# Altium PCB MB1936.PcbDoc (part 6 of 13)
Units mm, origin at the board's own origin, x right, y up, seen from the top; angles counter-clockwise.
Board outline 172 x 137 mm, 6 copper layers (Top Layer, Signal Layer 1, Signal Layer 2, Signal Layer 3, Signal Layer 4, Bottom Layer), stack 1.549 mm thick; 859 components, 672 nets, 3477 pads, 2222 vias.
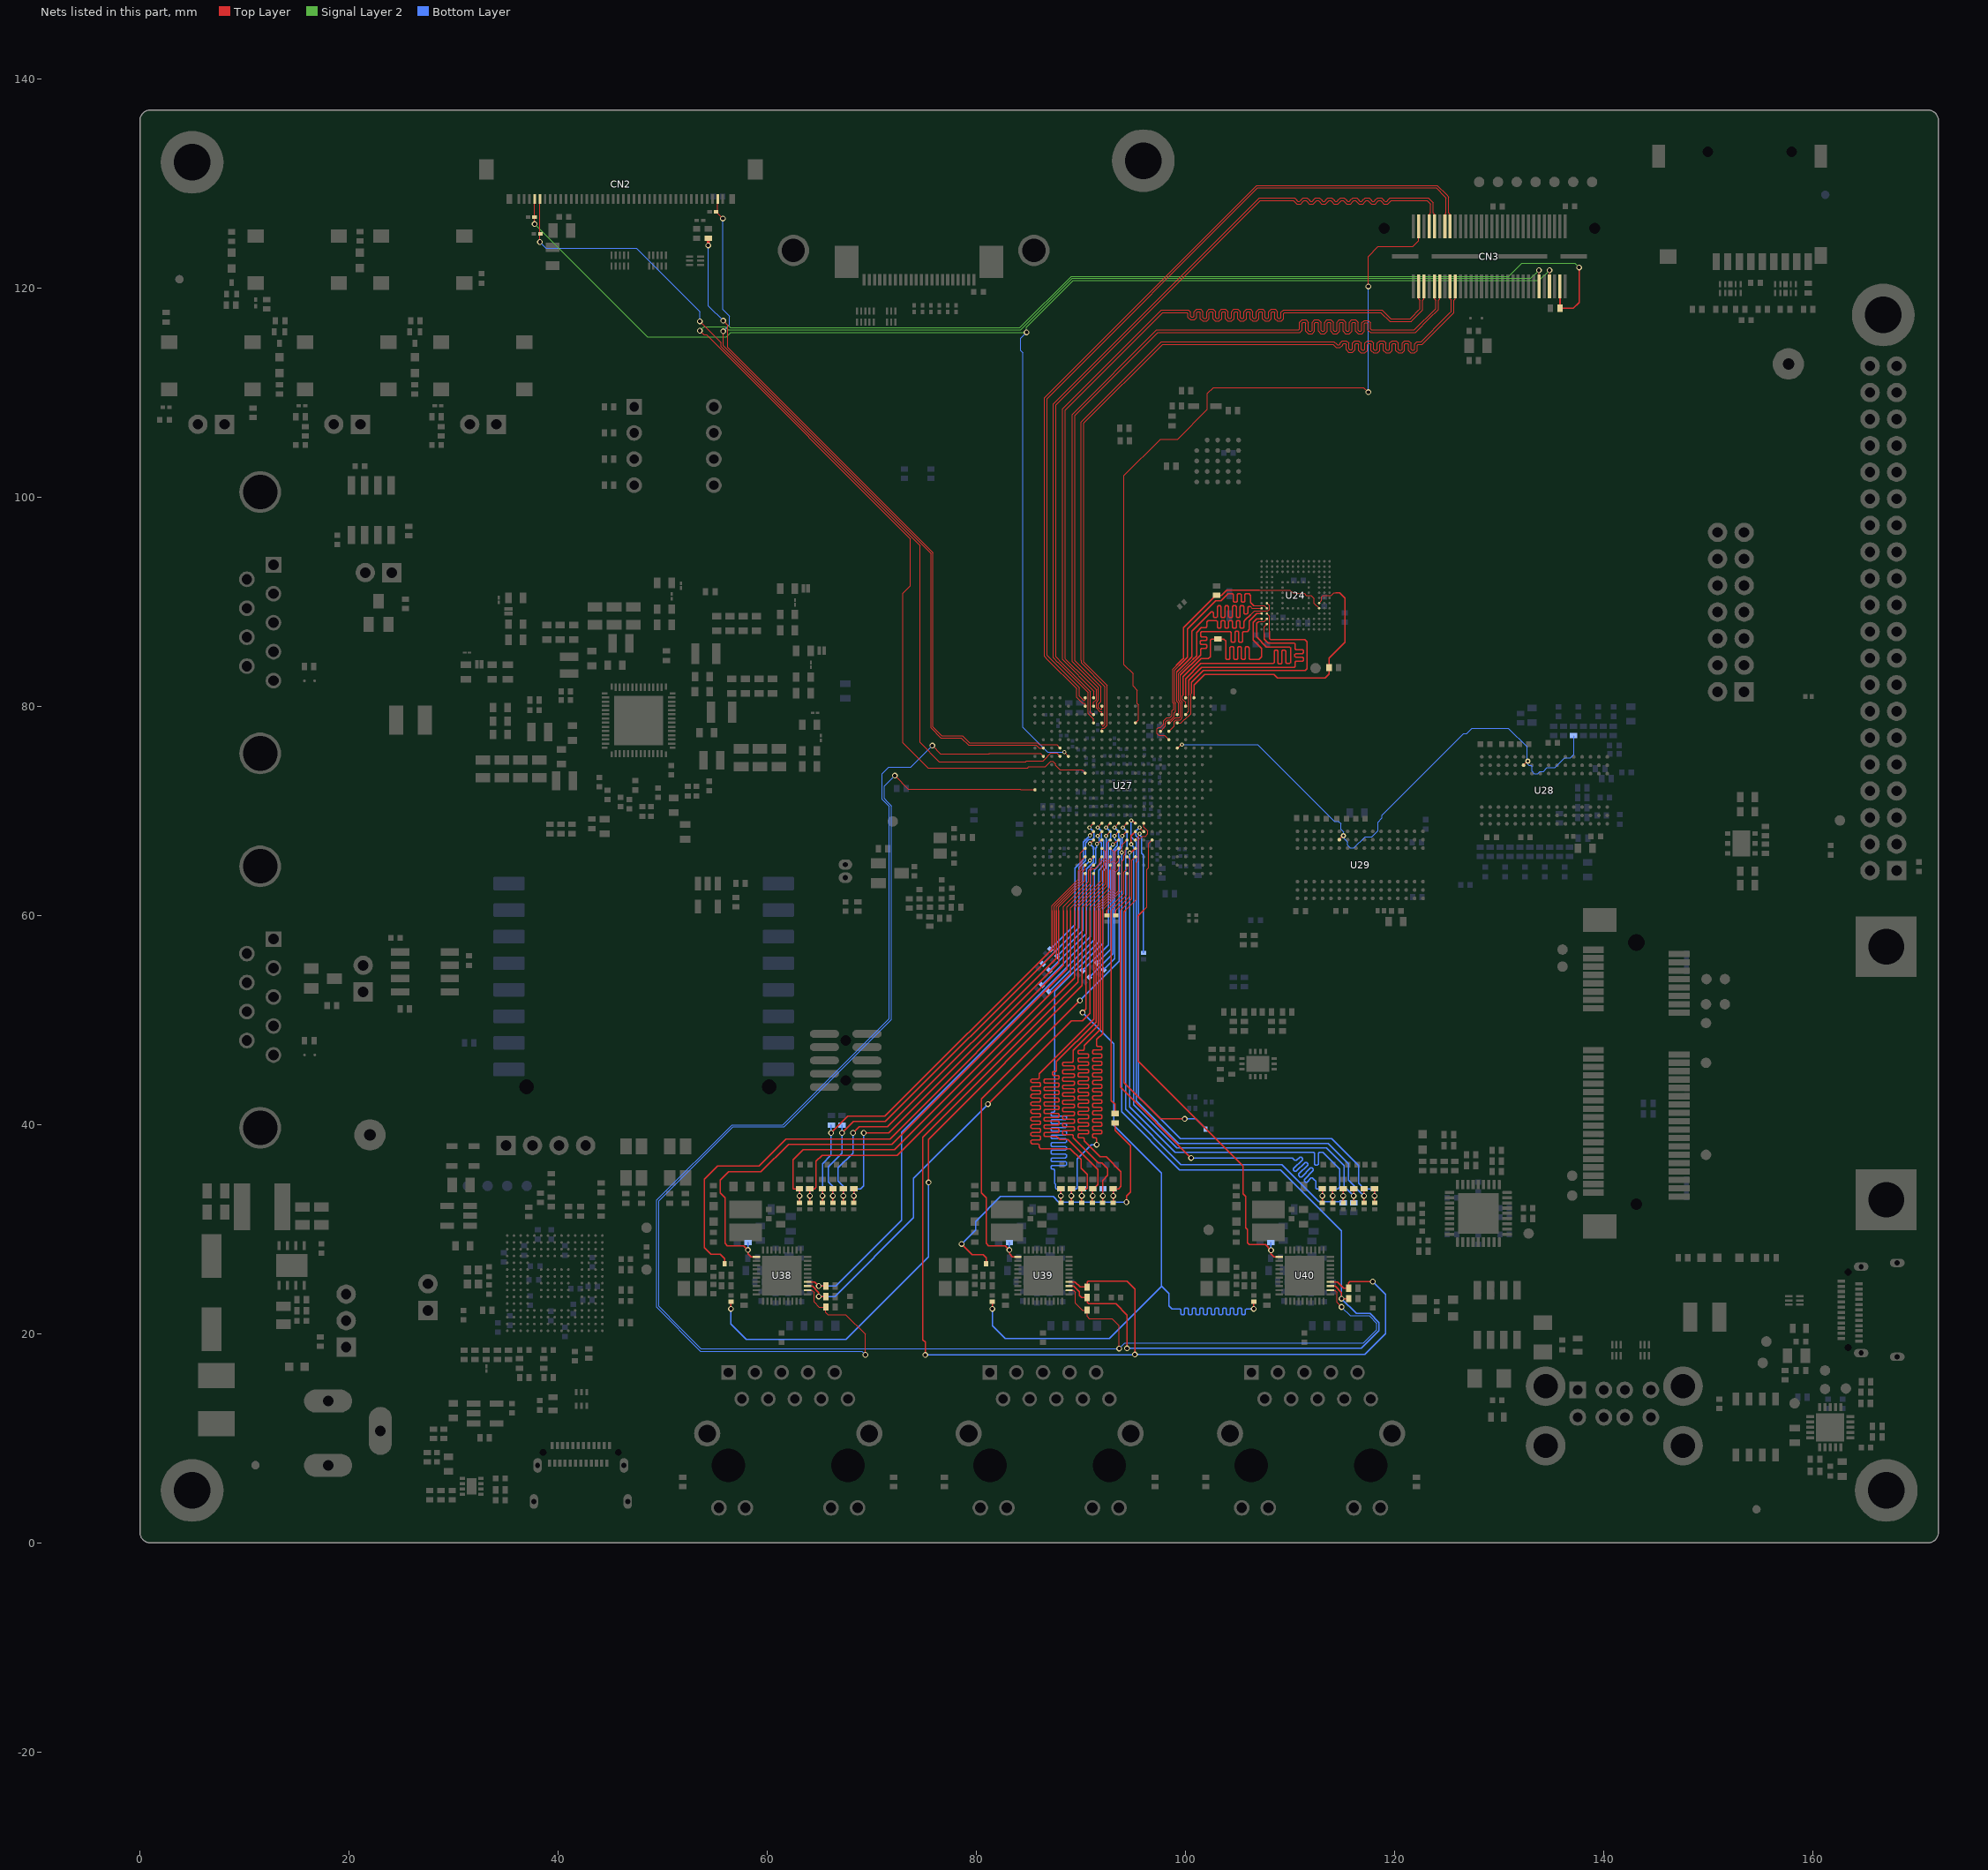
[diagram p10: the nets of this part, all layers, seen from the top]

## Via types
v1: diameter 0.55, hole 0.35, Top Layer to Bottom Layer, 1661 vias
v2: diameter 0.4, hole 0.2, Top Layer to Bottom Layer, tented both sides, 253 vias
v3: diameter 0.5, hole 0.2, Top Layer to Bottom Layer, 157 vias
v4: diameter 0.5, hole 0.25, Top Layer to Bottom Layer, 145 vias
v5: diameter 0.4, hole 0.2, Top Layer to Bottom Layer, 6 vias

## Nets (pads, with @x,y where several pads share a name; then routed paths per layer and width w, separated by ;. In a path a pad name is that pad's centre, name@x,y a point inside that pad or via, vN(x,y) a via of type N, cw(c..) or ccw(c..) an arc to the next point about the centre after c; other vN are vias at no path point) (continued)
DDR_WEN: R257.1 U27.G18 U28.L2 U29.L2 | length 55
  Top Layer w0.09: U27.G18@99.2,76 99.257,76 99.582,76.325 v2(99.65,76.325) ; U29.L2@114.694,67.222 114.694,67.27 v4@115.049,67.625 ; U28.L2@132.325,74.325 132.325,74.373 v4@132.68,74.728
  Bottom Layer w0.09: v2(99.65,76.325) 99.666,76.341 106.877,76.341 114.223,68.995 114.614,68.995 114.845,68.764 114.845,68.223 115.1,67.968 v4(115.1,67.625) ; v4@115.102,67.625 115.162,67.566 115.162,67.322 115.505,66.979 115.505,66.684 115.737,66.453 116.098,66.453 117.165,67.52 117.824,67.52 118.388,68.084 118.388,68.909 118.395,68.909 118.794,69.308 118.794,69.555 126.602,77.363 126.878,77.363 127.412,77.897 130.872,77.897 132.662,76.107 132.662,74.813 v4(132.725,74.75) 132.725,74.458 132.839,74.345 133.032,74.345 133.124,74.253 133.124,73.793 133.362,73.555 133.689,73.555 133.885,73.751 134.227,73.751 134.585,74.11 135.319,74.11 136.274,75.065 136.799,75.065 137.135,75.401 137.135,77.141 R257.1@137.1,77.175
DISP.BLCTRL: CN2.37 CN3.53 U2.1 U27.H5 | length 152
  Top Layer w0.1: v1(37.75,126.1) CN2.37@37.75,128.5 ; v2(88.4,75.6) U27.H5@88.8,75.2 ; CN3.53@134.8,120.13 v1(134.8,121.675)
  Signal Layer 2 w0.1: v1(37.75,126.1) 48.525,115.325 56.1,115.325 56.525,115.75 v1(84.8,115.75) 84.8,116.25 89.25,120.7 133.825,120.7 v1(134.8,121.675)
  Bottom Layer w0.1: v1(84.8,115.75) 84.225,115.175 84.225,113.999 84.45,113.774 84.45,77.955 86.806,75.6 v2(88.4,75.6)
DISP.DSI_INT: CN3.4 U27.D13 | length 72
  Top Layer w0.1: U27.D13@95.2,78.4 95.49,78.69 95.49,80.141 95.385,80.246 95.385,81.515 94.975,81.925 94.975,83.1 94.125,83.95 94.125,84.475 94.125,102.051 97.599,105.525 99.248,105.525 102.1,108.377 102.1,109.917 102.658,110.475 117.025,110.475 v1(117.475,110.025) ; v1(117.475,120.125) 117.475,123 118.42,123.945 121.72,123.945 122.3,124.525 CN3.4@122.3,125.87
  Bottom Layer w0.1: v1(117.475,110.025) v1(117.475,120.125)
DISP.LED_EN: CN2.36 U4.1 U27.H4 | length 86.7
  Top Layer w0.09: 81.172,74.685 84.727,74.685 84.787,74.745 86.364,74.745 86.796,75.177 86.796,75.213 87.088,75.505 87.695,75.505 U27.H4@88,75.2
  Top Layer w0.1: v1(38.25,124.375) 38.25,125.625 CN2.36@38.25,128.5 ; v1(53.55,116.8) 55.575,114.775 55.575,114.384 74.6,95.359 74.6,76.516 76.431,74.685 81.172,74.685
  Bottom Layer w0.1: v1(38.25,124.375) 38.85,123.775 47.475,123.775 53.55,117.7 v1(53.55,116.8)
DISP.LVDS_INT: CN2.2 U1.1 U27.G2 | length 71.1
  Top Layer w0.1: CN2.2@55.25,128.5 55.25,127.275 55.275,127.25 55.275,127.1 v1(55.75,126.625) ; v1(55.775,115.85) 55.775,114.467 75.65,94.592 75.65,77.94 76.615,76.975 78.55,76.975 79.235,76.29 81.172,76.29 85.72,76.29 86.01,76 U27.G2@86.4,76
  Bottom Layer w0.1: v1(55.75,126.625) 55.75,117.925 56.4,117.275 56.4,116.475 v1(55.775,115.85)
DISP.RESET: CN3.57 R2.1 R9.2 U27.G4 | length 161
  Top Layer w0.09: 81.172,76.49 85.834,76.49 86.009,76.315 87.685,76.315 U27.G4@88,76
  Top Layer w0.1: v1(55.775,116.85) 56.225,116.4 56.225,114.3 75.85,94.675 75.85,78.023 76.698,77.175 78.674,77.175 79.359,76.49 81.172,76.49
  Top Layer w0.15: CN3.57@135.8,120.13 R9.2@135.8,118.05 137.08,118.05 137.64,118.61 v1(137.64,121.95)
  Top Layer w0.3: v1(54.35,124.051) R2.1@54.35,124.745
  Signal Layer 2 w0.1: v1(55.775,116.85) 56.45,116.175 84.159,116.175 89.084,121.1 130.9,121.1 132.175,122.375 137.215,122.375 v1(137.64,121.95)
  Bottom Layer w0.1: v1@54.35,124.05 54.35,118.275 v1(55.775,116.85)
DISP.TE: CN3.49 U27.K7 | length 151.8
  Top Layer w0.09: 81.172,74.085 84.891,74.085 85.011,74.205 86.602,74.205 87.102,74.705 87.326,74.705 87.55,74.481 87.55,74.325
  Top Layer w0.1: v1(53.55,115.9) 53.95,115.5 54.175,115.5 73.678,95.997 73.678,91.518 72.975,90.814 72.975,76.5 75.39,74.085 81.172,74.085 ; 87.55,74.325 87.97,73.905 90.095,73.905 U27.K7@90.4,73.6 ; CN3.49@133.8,120.13 v1(133.8,121.675)
  Signal Layer 2 w0.1: v1(53.55,115.9) 53.925,116.275 55.951,116.275 56.251,115.975 84.242,115.975 89.167,120.9 133.025,120.9 v1(133.8,121.675)
DSI.CK_N: CN3.5 U27.B8 | length 81.7
  Top Layer w0.09: U27.B8@91.2,80 91.2,80.355 91.485,80.64 91.485,81.546 90.382,82.648 88.556,84.475 88.475,84.556 88.475,108.325 97.8,117.65 99.7,117.65 100.15,117.65 100.236,117.564 100.236,117.184 100.468,116.952 100.847,116.952 101.08,117.184 101.08,117.617 101.166,117.703 101.338,117.703 101.424,117.617 101.424,117.048 101.656,116.816 102.035,116.816 102.268,117.048 102.268,117.617 102.354,117.703 102.526,117.703 102.612,117.617 102.612,117.048 102.844,116.816 103.223,116.816 103.456,117.048 103.456,117.617 103.542,117.703 103.714,117.703 103.8,117.617 103.8,117.048 104.032,116.816 104.411,116.816 104.644,117.048 104.644,117.617 104.73,117.703 104.902,117.703 104.988,117.617 104.988,117.048 105.22,116.816 105.599,116.816 105.832,117.048 105.832,117.617 105.918,117.703 106.09,117.703 106.176,117.617 106.176,117.048 106.408,116.816 106.787,116.816 107.02,117.048 107.02,117.617 107.106,117.703 107.278,117.703 107.364,117.617 107.364,117.048 107.596,116.816 107.975,116.816 108.208,117.048 108.208,117.617 108.294,117.703 108.466,117.703 108.552,117.617 108.552,117.048 108.784,116.816 109.163,116.816 109.396,117.048 109.396,117.564 109.482,117.65 109.6,117.65 118.675,117.65 119.527,116.798 121.595,116.798 121.668,116.871 122.675,117.879 122.675,118.825 122.8,118.95 CN3.5@122.8,120.13
DSI.CK_P: CN3.3 U27.A8 | length 80.8
  Top Layer w0.09: U27.A8@91.2,80.8 U27.A8@91.235,80.835 ; U27.A8@91.235,80.836 91.235,81.442 88.225,84.452 88.225,84.475 88.225,84.659 88.225,108.429 97.696,117.9 99.7,117.9 100.253,117.9 100.486,117.668 100.486,117.288 100.572,117.202 100.744,117.202 100.83,117.288 100.83,117.72 101.062,117.953 101.441,117.953 101.674,117.72 101.674,117.152 101.76,117.066 101.932,117.066 102.018,117.152 102.018,117.72 102.25,117.953 102.629,117.953 102.862,117.72 102.862,117.152 102.948,117.066 103.12,117.066 103.206,117.152 103.206,117.72 103.438,117.953 103.817,117.953 104.05,117.72 104.05,117.152 104.136,117.066 104.308,117.066 104.394,117.152 104.394,117.72 104.626,117.953 105.005,117.953 105.238,117.72 105.238,117.152 105.324,117.066 105.496,117.066 105.582,117.152 105.582,117.72 105.814,117.953 106.193,117.953 106.426,117.72 106.426,117.152 106.512,117.066 106.684,117.066 106.77,117.152 106.77,117.72 107.002,117.953 107.381,117.953 107.614,117.72 107.614,117.152 107.7,117.066 107.872,117.066 107.958,117.152 107.958,117.72 108.19,117.953 108.569,117.953 108.802,117.72 108.802,117.152 108.888,117.066 109.06,117.066 109.146,117.152 109.146,117.668 109.378,117.9 109.6,117.9 118.779,117.9 119.63,117.048 121.491,117.048 121.646,117.204 122.309,117.866 122.425,117.982 122.425,118.825 122.3,118.95 CN3.3@122.3,120.13
DSI.D0_N: CN3.11 U27.B9 | length 81.4
  Top Layer w0.09: U27.B9@92,80 92,79.751 91.944,79.695 91.866,79.695 91.675,79.886 91.675,80.222 91.915,80.462 91.915,81.863 89.425,84.353 89.425,84.475 89.425,107.8 97.35,115.725 110.708,115.725 110.811,115.725 110.929,115.725 111.162,115.957 111.162,116.61 111.248,116.696 111.42,116.696 111.506,116.61 111.506,115.842 111.738,115.61 112.117,115.61 112.35,115.842 112.35,116.61 112.436,116.696 112.608,116.696 112.694,116.61 112.694,115.842 112.926,115.61 113.305,115.61 113.538,115.842 113.538,116.61 113.624,116.696 113.796,116.696 113.882,116.61 113.882,115.842 114.114,115.61 114.493,115.61 114.726,115.842 114.726,116.61 114.812,116.696 114.984,116.696 115.07,116.61 115.07,115.842 115.302,115.61 115.681,115.61 115.914,115.842 115.914,116.61 116,116.696 116.172,116.696 116.258,116.61 116.258,115.842 116.49,115.61 116.869,115.61 117.102,115.842 117.102,116.554 117.188,116.64 117.36,116.64 117.446,116.554 117.446,115.957 117.678,115.725 118.675,115.725 121.975,115.725 123.4,117.15 124.087,117.837 124.175,117.925 124.175,118.825 124.3,118.95 CN3.11@124.3,120.13
DSI.D0_P: CN3.9 U27.C9 | length 81.7
  Top Layer w0.09: U27.C9@92,79.2 92,79.449 91.944,79.505 91.787,79.505 91.485,79.807 91.485,80.385 91.665,80.565 91.665,81.76 89.175,84.25 89.175,84.475 89.175,107.904 97.246,115.975 109.708,115.975 110.708,115.975 110.826,115.975 110.912,116.061 110.912,116.714 111.144,116.946 111.523,116.946 111.756,116.714 111.756,115.946 111.842,115.86 112.014,115.86 112.1,115.946 112.1,116.714 112.332,116.946 112.711,116.946 112.944,116.714 112.944,115.946 113.03,115.86 113.202,115.86 113.288,115.946 113.288,116.714 113.52,116.946 113.899,116.946 114.132,116.714 114.132,115.946 114.218,115.86 114.39,115.86 114.476,115.946 114.476,116.714 114.708,116.946 115.087,116.946 115.32,116.714 115.32,115.946 115.406,115.86 115.578,115.86 115.664,115.946 115.664,116.714 115.896,116.946 116.275,116.946 116.508,116.714 116.508,115.946 116.594,115.86 116.766,115.86 116.852,115.946 116.852,116.658 117.084,116.89 117.463,116.89 117.696,116.658 117.696,116.061 117.782,115.975 118.675,115.975 121.871,115.975 123.925,118.029 123.925,118.825 123.8,118.95 CN3.9@123.8,120.13
DSI.D1_N: CN3.17 U27.E9 | length 81.8
  Top Layer w0.09: U27.E9@92,77.6 92,77.832 92.053,77.885 92.222,77.885 92.515,78.178 92.515,81.96 90.265,84.21 90.265,84.361 90.275,84.371 90.275,107.075 97.8,114.6 113.169,114.6 114.088,114.6 114.174,114.514 114.406,114.282 114.785,114.282 115.018,114.514 115.018,114.594 115.104,114.68 115.276,114.68 115.362,114.594 115.362,114.084 115.594,113.851 115.973,113.851 116.206,114.084 116.206,114.594 116.292,114.68 116.464,114.68 116.55,114.594 116.55,114.009 116.782,113.776 117.161,113.776 117.394,114.009 117.394,114.594 117.48,114.68 117.652,114.68 117.738,114.594 117.738,114.009 117.97,113.776 118.349,113.776 118.582,114.009 118.582,114.594 118.668,114.68 118.84,114.68 118.926,114.594 118.926,114.009 119.158,113.776 119.537,113.776 119.77,114.009 119.77,114.594 119.856,114.68 120.028,114.68 120.114,114.594 120.114,114.009 120.346,113.776 120.725,113.776 120.958,114.009 120.958,114.594 121.044,114.68 121.216,114.68 121.302,114.594 121.302,114.009 121.534,113.776 121.913,113.776 122.146,114.009 122.146,114.514 122.232,114.6 122.35,114.6 122.625,114.6 125.65,117.625 125.65,118.8 125.8,118.95 CN3.17@125.8,120.13
DSI.D1_P: CN3.15 U27.D9 | length 81.4
  Top Layer w0.09: U27.D9@92,78.4 92,78.168 92.053,78.115 92.127,78.115 92.285,78.273 92.285,81.865 90.035,84.115 90.035,84.361 90.025,84.371 90.025,107.179 97.696,114.85 113.169,114.85 114.191,114.85 114.424,114.618 114.51,114.532 114.682,114.532 114.768,114.618 114.768,114.697 115,114.93 115.379,114.93 115.612,114.697 115.612,114.187 115.698,114.101 115.87,114.101 115.956,114.187 115.956,114.697 116.188,114.93 116.567,114.93 116.8,114.697 116.8,114.112 116.886,114.026 117.058,114.026 117.144,114.112 117.144,114.697 117.376,114.93 117.755,114.93 117.988,114.697 117.988,114.112 118.074,114.026 118.246,114.026 118.332,114.112 118.332,114.697 118.564,114.93 118.943,114.93 119.176,114.697 119.176,114.112 119.262,114.026 119.434,114.026 119.52,114.112 119.52,114.697 119.752,114.93 120.131,114.93 120.364,114.697 120.364,114.112 120.45,114.026 120.622,114.026 120.708,114.112 120.708,114.697 120.94,114.93 121.319,114.93 121.552,114.697 121.552,114.112 121.638,114.026 121.81,114.026 121.896,114.112 121.896,114.618 122.128,114.85 122.35,114.85 122.521,114.85 124.868,117.197 125.298,117.627 125.4,117.729 125.4,118.85 125.3,118.95 CN3.15@125.3,120.13
DSI.D2_N: CN3.10 U27.D8 | length 81.7
  Top Layer w0.09: U27.D8@91.2,78.4 91.2,78.775 90.685,79.29 90.685,81.301 87.761,84.225 87.746,84.225 87.35,84.621 87.35,108.904 107.046,128.6 108.456,128.6 110.428,128.6 110.66,128.368 110.66,128.345 110.746,128.259 110.918,128.259 111.004,128.345 111.004,128.377 111.237,128.609 111.616,128.609 111.848,128.377 111.848,128.345 111.934,128.259 112.106,128.259 112.192,128.345 112.192,128.377 112.425,128.609 112.804,128.609 113.036,128.377 113.036,128.345 113.122,128.259 113.294,128.259 113.38,128.345 113.38,128.377 113.613,128.609 113.992,128.609 114.224,128.377 114.224,128.345 114.31,128.259 114.482,128.259 114.568,128.345 114.568,128.377 114.801,128.609 115.18,128.609 115.412,128.377 115.412,128.345 115.498,128.259 115.67,128.259 115.756,128.345 115.756,128.377 115.989,128.609 116.368,128.609 116.6,128.377 116.6,128.345 116.686,128.259 116.858,128.259 116.944,128.345 116.944,128.377 117.177,128.609 117.556,128.609 117.788,128.377 117.788,128.345 117.874,128.259 118.046,128.259 118.132,128.345 118.132,128.377 118.365,128.609 118.744,128.609 118.976,128.377 118.976,128.345 119.062,128.259 119.234,128.259 119.32,128.345 119.32,128.368 119.553,128.6 119.774,128.6 123.2,128.6 123.675,128.125 123.675,127.175 123.8,127.05 CN3.10@123.8,125.87
DSI.D2_P: CN3.8 U27.C8 | length 80
  Top Layer w0.09: U27.C8@91.2,79.2 91.16,79.24 91.06,79.24 90.915,79.386 90.915,81.396 87.923,84.388 87.923,84.402 87.85,84.475 87.6,84.725 87.6,108.8 107.15,128.35 108.456,128.35 110.324,128.35 110.41,128.264 110.41,128.242 110.643,128.009 111.022,128.009 111.254,128.242 111.254,128.273 111.34,128.359 111.512,128.359 111.598,128.273 111.598,128.242 111.831,128.009 112.21,128.009 112.442,128.242 112.442,128.273 112.528,128.359 112.7,128.359 112.786,128.273 112.786,128.242 113.019,128.009 113.398,128.009 113.63,128.242 113.63,128.273 113.716,128.359 113.888,128.359 113.974,128.273 113.974,128.242 114.207,128.009 114.586,128.009 114.818,128.242 114.818,128.273 114.904,128.359 115.076,128.359 115.162,128.273 115.162,128.242 115.395,128.009 115.774,128.009 116.006,128.242 116.006,128.273 116.092,128.359 116.264,128.359 116.35,128.273 116.35,128.242 116.583,128.009 116.962,128.009 117.194,128.242 117.194,128.273 117.28,128.359 117.452,128.359 117.538,128.273 117.538,128.242 117.771,128.009 118.15,128.009 118.382,128.242 118.382,128.273 118.468,128.359 118.64,128.359 118.726,128.273 118.726,128.242 118.959,128.009 119.338,128.009 119.57,128.242 119.57,128.264 119.656,128.35 119.774,128.35 120.022,128.35 123.075,128.35 123.096,128.35 123.425,128.021 123.425,127.175 123.3,127.05 CN3.8@123.3,125.87
DSI.D3_N: CN3.16 U27.B7 | length 81.6
  Top Layer w0.09: U27.B7@90.4,80 90.388,80.012 90.388,80.219 90.332,80.275 90.15,80.275 89.575,80.85 89.575,81.681 86.781,84.475 86.5,84.756 86.5,109.504 106.796,129.8 124.079,129.8 124.962,128.917 125.175,128.704 125.175,127.175 125.3,127.05 CN3.16@125.3,125.87
DSI.D3_P: CN3.14 U27.A7 | length 80.4
  Top Layer w0.09: U27.A7@90.4,80.8 90.388,80.788 90.388,80.581 90.332,80.525 90.253,80.525 89.825,80.953 89.825,81.785 87.135,84.475 86.75,84.86 86.75,109.4 106.9,129.55 123.975,129.55 124.785,128.74 124.925,128.6 124.925,127.425 124.925,127.175 124.8,127.05 CN3.14@124.8,125.87
eMMC.SDMMC2_CK: R49.1 U24.M6 U27.A20 | length 26.1
  Top Layer w0.09: U24.M6@112.775,89.85 113.025,90.1 113.025,90.454 113.171,90.6 113.925,90.6 114.175,90.85 114.375,90.85
  Top Layer w0.11: U27.A20@100.8,80.8 100.8,82.03 101.807,83.037 106.072,83.037 108.445,83.037 108.767,82.715 113.348,82.715 113.725,83.093 R49.1@113.725,83.685 113.725,84.582 115.25,86.107 115.25,90.35 114.75,90.85 114.375,90.85
eMMC.SDMMC2_CMD: R37.1 U24.M5 U27.F17 | length 28.4
  Top Layer w0.09: U27.F17@98.4,76.8 98.002,77.198 97.453,77.198 97.29,77.36 97.29,77.84 97.432,77.982 97.62,77.982 97.91,78.272 97.91,78.596 98.199,78.885 98.488,78.885 98.715,79.112 98.715,79.56 98.865,79.71 98.865,80.231 98.785,80.311 98.785,83.537 99.131,83.883 99.131,83.898 ; 107.071,91.1 109.975,91.1 110.3,90.775 111.35,90.775 111.525,90.6 112,90.6 112.3,90.3 112.3,89.825 U24.M5@112.775,89.35
  Top Layer w0.11: 99.124,83.891 99.131,83.898 99.185,83.952 99.185,83.966 99.694,84.475 99.787,84.568 99.787,87.507 102.287,90.007 102.88,90.6 R37.1@102.975,90.6 103.449,90.6 103.943,91.093 107.071,91.093
eMMC.SDMMC2_D0: R44.1 U24.A3 U27.B19 | length 25.9
  Top Layer w0.09: 99.75,81.05 99.695,80.995 99.695,80.674 100,80.369 U27.B19@100,80
  Top Layer w0.11: 99.75,81.05 99.75,82.8 101.491,84.541 102.178,84.541 102.363,84.725 102.363,86.308 102.482,86.428 R44.1@103.1,86.428 103.633,86.428 103.836,86.225 103.836,84.57 103.929,84.477 ; 103.932,84.474 103.929,84.477 ; U24.A3@107.275,88.35 106.824,88.35 106.475,88.001 106.475,86.332 107.27,85.537 107.27,84.724 107.023,84.477 106.406,84.477 106.162,84.477 106.071,84.568 106.071,85.579 105.98,85.67 105.798,85.67 105.707,85.579 105.707,84.566 105.616,84.475 105.434,84.475 105.343,84.566 105.343,85.593 105.252,85.684 105.07,85.684 104.979,85.593 104.979,84.566 104.888,84.475 104.706,84.475 104.615,84.566 104.615,85.593 104.524,85.684 104.342,85.684 104.251,85.593 104.251,84.568 104.16,84.477 104.105,84.477 103.929,84.477
eMMC.SDMMC2_D1: U24.A4 U27.E17 | length 24
  Top Layer w0.09: U27.E17@98.4,77.6 98.895,78.095 98.895,78.526 99.074,78.705 99.505,78.705 99.695,78.895 99.695,80.419 99.515,80.599 99.515,82.965 99.525,82.975
  Top Layer w0.11: 99.525,82.965 99.525,82.975 101.442,84.892 101.442,85.031 101.442,85.45 101.533,85.541 101.944,85.541 102.035,85.632 102.035,85.814 101.944,85.905 101.493,85.905 101.402,85.996 101.402,86.178 101.493,86.269 101.944,86.269 102.035,86.36 102.035,86.542 101.944,86.633 101.533,86.633 101.442,86.724 101.442,86.911 101.442,87.057 101.525,87.14 103.849,87.14 104.268,87.14 104.359,87.049 104.359,86.182 104.45,86.091 104.632,86.091 104.723,86.182 104.723,87.061 104.814,87.152 104.996,87.152 105.087,87.061 105.087,86.182 105.178,86.091 105.36,86.091 105.451,86.182 105.451,87.049 105.542,87.14 105.917,87.14 105.923,87.146 106.102,87.325 106.102,88.132 106.82,88.85 U24.A4@107.275,88.85
eMMC.SDMMC2_D2: U24.A5 U27.C18 | length 25.1
  Top Layer w0.09: 99.155,83.28 99.155,80.45 99.335,80.27 99.335,79.361 99.2,79.226 U27.C18@99.2,79.2 ; 106.195,89.516 106.353,89.358 107.267,89.358 U24.A5@107.275,89.35
  Top Layer w0.11: 99.155,83.28 100.606,84.731 100.606,87.166 102.247,88.807 102.446,89.006 102.575,89.006 102.666,88.915 102.666,88.55 102.757,88.459 102.939,88.459 103.03,88.55 103.03,89.502 103.121,89.593 103.303,89.593 103.394,89.502 103.394,88.55 103.485,88.459 103.667,88.459 103.758,88.55 103.758,89.502 103.849,89.593 104.031,89.593 104.122,89.502 104.122,88.55 104.213,88.459 104.395,88.459 104.486,88.55 104.486,89.502 104.577,89.593 104.759,89.593 104.85,89.502 104.85,88.55 104.941,88.459 105.123,88.459 105.214,88.55 105.214,89.502 105.305,89.593 105.487,89.593 105.578,89.502 105.578,88.917 105.669,88.826 105.851,88.826 105.942,88.917 105.942,89.425 106.033,89.516 106.103,89.516 106.195,89.516
eMMC.SDMMC2_D3: U24.B2 U27.C19 | length 23.9
  Top Layer w0.09: U27.C19@100,79.2 100.31,79.51 100.31,81.055 ; 107.525,86.9 107.525,87.6 U24.B2@107.775,87.85
  Top Layer w0.11: 100.31,81.055 100.299,81.065 100.299,82.474 101.545,83.72 110.396,83.72 110.461,83.784 110.461,83.796 110.461,84.215 110.552,84.306 111.194,84.306 111.285,84.397 111.285,84.579 111.194,84.67 110.539,84.67 110.448,84.761 110.448,84.943 110.539,85.034 111.194,85.034 111.285,85.125 111.285,85.307 111.194,85.398 110.552,85.398 110.461,85.489 110.461,85.916 110.461,85.974 110.396,86.038 107.887,86.038 107.525,86.4 107.525,86.9
eMMC.SDMMC2_D4: U24.B3 U27.A19 | length 24.8
  Top Layer w0.09: 107,88.1 107.525,88.1 U24.B3@107.775,88.35
  Top Layer w0.11: U27.A19@100,80.8 100,82.625 101.459,84.084 108.332,84.084 108.387,84.084 108.478,84.175 108.478,85.263 108.569,85.354 108.751,85.354 108.842,85.263 108.842,84.122 108.933,84.031 109.115,84.031 109.206,84.122 109.206,85.263 109.297,85.354 109.479,85.354 109.57,85.263 109.57,84.175 109.661,84.084 109.866,84.084 109.947,84.084 110.053,84.19 110.053,85.549 109.938,85.664 107.753,85.664 106.814,86.603 106.814,87.914 107,88.1